# Altium PCB higgs.PcbDoc (part 6 of 25)
Units mm, origin at the board's own origin, x right, y up, seen from the top; angles counter-clockwise.
Board outline 160 x 160 mm, 15 copper layers (TOP, P1(GND), S1(V), P2(GND), S2(H), P3(GND), S3(V12/V2V5), S4(VDDR), P4(GND), S5(V), P5(GND), S6(H), P6(GND), P1(GND) (Plane1), BOT), stack 3.262 mm thick; 1283 components, 2419 nets, 11066 pads, 5487 vias.
Unrouted connection lines stored in the file: 239.
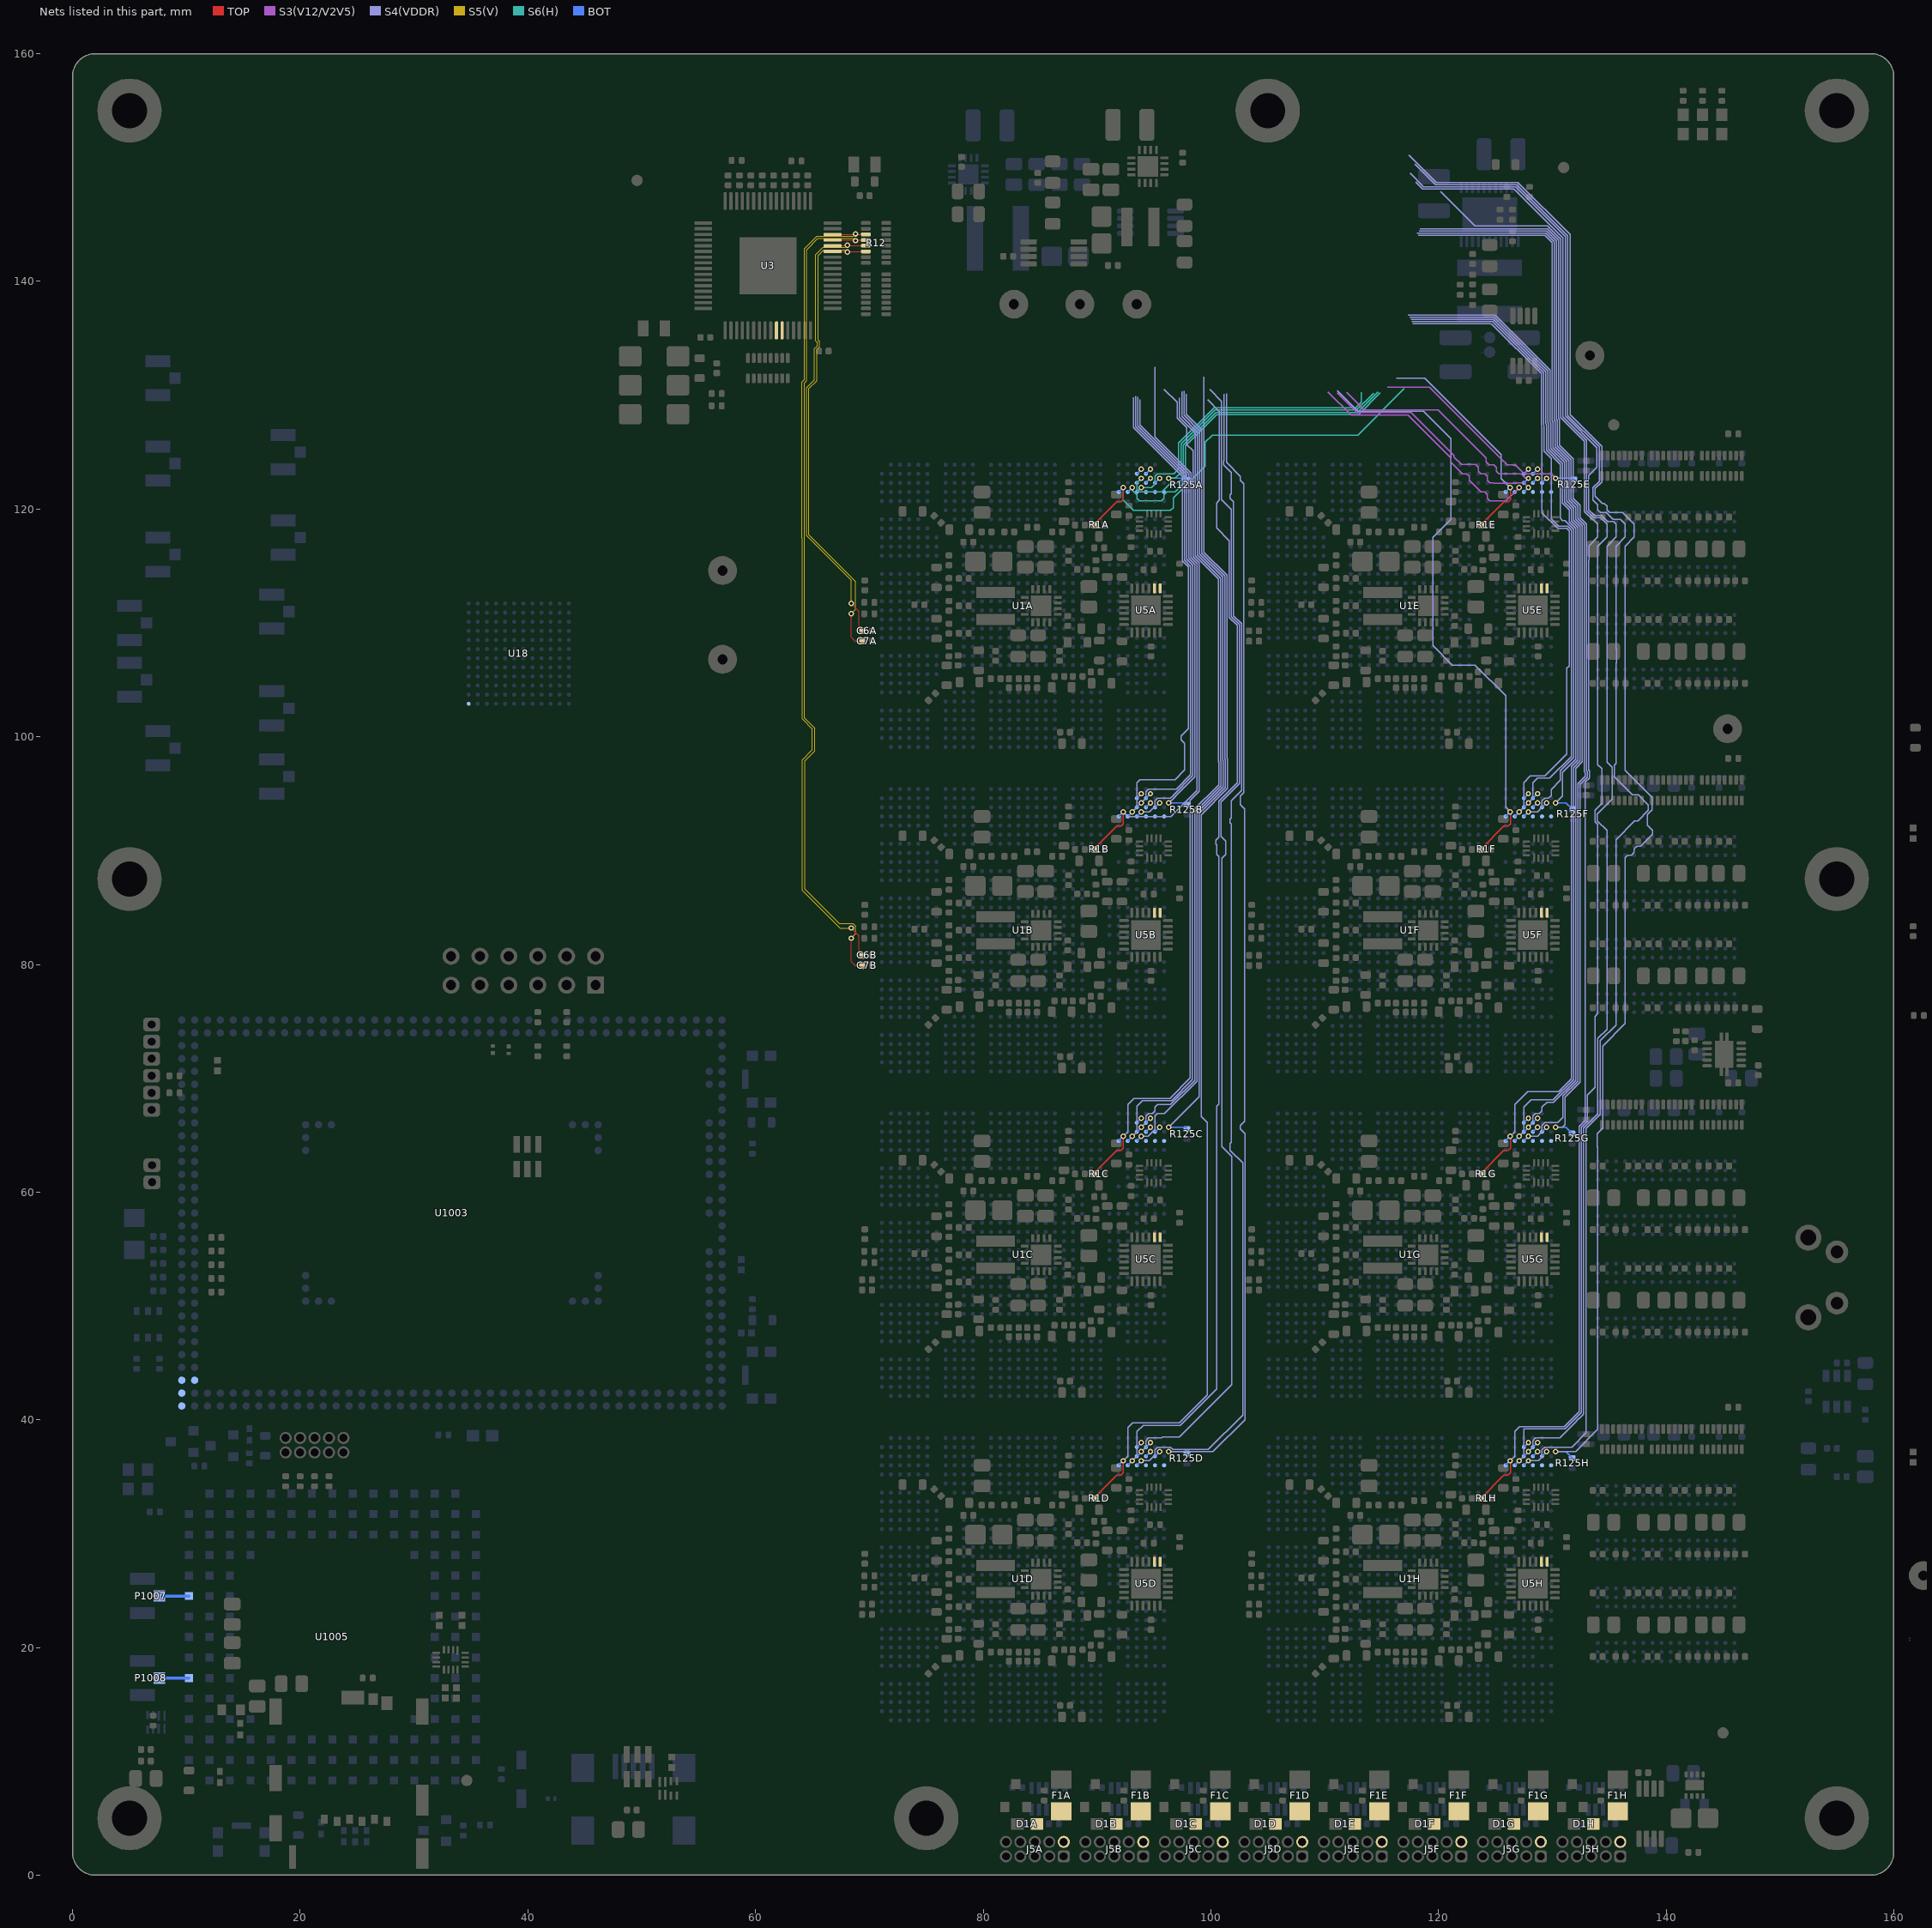
[diagram p19: the nets of this part, all layers, seen from the top]

## Footprints (in the part's own frame and the unit in brackets; to place one, negate y for a bottom-side part, rotate by r counter-clockwise, add the part's x,y. Pads: shape width x height; smd on the part's side, far side on the other; paste and mask are expansions set on the pad) (continued)
S-PDSO-G8 [mm] "Small Outline Pkg (SOP), 0.65 mm pitch; 8 pin, 3.00 mm L X 3.00 mm W X 1.10 mm H body"
  rrect50% 0.45x1.45 smd paste+0 mask+0.05: 1(-0.975,-2.2) 2(-0.325,-2.2) 3(0.325,-2.2) 4(0.975,-2.2) 5(0.975,2.2) 6(0.325,2.2) 7(-0.325,2.2) 8(-0.975,2.2)
  silkscreen extent -1.72,-1.72 1.55,1.55, body extent -1.5,-2.45 1.5,2.45, height 0.97
S-PQFP-8N [mm] "Plastic Quad Flatpack No-Lead"
  rect 0.7x0.25 smd paste-0.025: 1(-1.45,0.75) 2(-1.45,0.25) 3(-1.45,-0.25) 4(-1.45,-0.75) 9(1.45,-0.75) 10(1.45,-0.25) 11(1.45,0.25) 12(1.45,0.75)
  rect 0.25x0.7 smd paste-0.025: 5(-0.75,-1.45) 6(-0.25,-1.45) 7(0.25,-1.45) 8(0.75,-1.45) 13(0.75,1.45) 14(0.25,1.45) 15(-0.25,1.45) 16(-0.75,1.45)
  rect 1.8x1.8 smd paste-0.025: 17(0,0)
  silkscreen extent -1.83,-1.6 1.6,1.79, body extent -1.58,-1.59 1.58,1.59, height 1
S-PQFP-8N_NOVIA [mm] "Plastic Quad Flatpack No-Lead"
  rect 0.7x0.25 smd paste-0.025: 1(-1.45,0.75) 2(-1.45,0.25) 3(-1.45,-0.25) 4(-1.45,-0.75) 9(1.45,-0.75) 10(1.45,-0.25) 11(1.45,0.25) 12(1.45,0.75)
  rect 0.25x0.7 smd paste-0.025: 5(-0.75,-1.45) 6(-0.25,-1.45) 7(0.25,-1.45) 8(0.75,-1.45) 13(0.75,1.45) 14(0.25,1.45) 15(-0.25,1.45) 16(-0.75,1.45)
  rect 1.8x1.8 smd paste-0.025: 17(0,0)
  silkscreen extent -1.77,-1.6 1.6,1.75, body extent -1.58,-1.59 1.58,1.59, height 1
SE2623L [mm] "2.4 GHz 33dB amplifier"
  rect 0.6x0.25 smd mask+0.05: 1(-1.4,0.75) 2(-1.4,0.25) 3(-1.4,-0.25) 4(-1.4,-0.75) 9(1.4,-0.75) 10(1.4,-0.25) 11(1.4,0.25) 12(1.4,0.75)
  rect 0.25x0.6 smd mask+0.05: 5(-0.75,-1.4) 6(-0.25,-1.4) 7(0.25,-1.4) 8(0.75,-1.4) 13(0.75,1.4) 14(0.25,1.4) 15(-0.25,1.4) 16(-0.75,1.4)
  rect 1.7x1.7 smd mask+0.05: 17(0,0)
  silkscreen extent -2.13,1.07 -1.87,1.33, body extent -1.5,-1.5 1.5,1.5, height 0.85
SE5004L [mm] "5 GHz, 26dBm Power Amplifier"
  rect 0.7x0.25 smd paste+0 mask+0.05: 1(-1.85,1) 2(-1.85,0.5) 3(-1.85,0) 4(-1.85,-0.5) 5(-1.85,-1) 11(1.85,-1) 12(1.85,-0.5) 13(1.85,0) 14(1.85,0.5) 15(1.85,1)
  rect 0.25x0.7 smd paste+0 mask+0.05: 6(-1,-1.85) 7(-0.5,-1.85) 8(0,-1.85) 9(0.5,-1.85) 10(1,-1.85) 16(1,1.85) 17(0.5,1.85) 18(0,1.85) 19(-0.5,1.85) 20(-1,1.85)
  rect 2.6x2.6 smd paste+0 mask+0.05: 21(0,0)
  TOP region: -1.275,2.2 -2.2,2.2 -2.2,0.375 -1.275,0.375
  TOP region: 0.375,-2.2 2.2,-2.2 2.2,-0.375 0.375,-0.375
  TOP region: 0.375,0.375 2.2,0.375 2.2,2.2 0.375,2.2
  BOT region: -1.3,-1.3 1.3,-1.3 1.3,1.3 -1.3,1.3
  silkscreen extent -2.5,1.4 -2.3,1.6, body extent -2,-2 2,2, height 0.85
SKY13453-385LF [mm] "RF Switch"
  rect 0.33x0.15 smd paste+0 mask+0.05: 1(-0.485,0.25) 2(-0.485,-0.25) 4(0.485,-0.25) 5(0.485,0.25)
  rect 0.2x0.51 smd paste+0 mask+0.05: 3(0,-0.42) 6(0,0.42)
  silkscreen extent -0.94,0.66 -0.86,0.74, body extent -0.5,-0.5 0.5,0.5, height 0.45
SOD123 [mm] "SOD-123; 2 Leads; Body 2.7 x 1.6 mm, (LxW)"
  rect 1.6x0.85 smd: 1(-1.7,0) 2(1.7,0)
  silkscreen extent -1.45,-0.9 1.45,0.9, body extent -1.92,-0.85 1.92,0.85, height 1.45
SOLDERLINK0603X26N [mm] "Resistor, Chip; 0.60 mm L X 0.30 mm W X 0.26 mm H body"
  rrect50% 0.27x0.4 smd paste-0.4 mask+0.05: 1(-0.335,0)
  rrect50% 0.37x0.4 smd paste-0.4 mask+0.05: 2(0.285,0)
  TOP region: 0.138,0.2 0.012,0 0.138,-0.2 0.298,-0.2 0.298,0.2
  TOP region: 0.013,-0.2 -0.112,0 0.013,0.2 -0.298,0.2 -0.298,-0.2
SOLDERLINK0603X26N_BRIDGED [mm] "Resistor, Chip; Bridged; 0.60 mm L X 0.30 mm W X 0.26 mm H body"
  rrect50% 0.27x0.4 smd paste-0.4 mask+0.05: 1(-0.335,0)
  rrect50% 0.37x0.4 smd paste-0.4 mask+0.05: 2(0.285,0)
  TOP region: 0.138,0.2 0.012,0 0.138,-0.2 0.298,-0.2 0.298,0.2
  TOP region: 0.013,-0.2 -0.112,0 0.013,0.2 -0.298,0.2 -0.298,-0.2
SOT23 [mm] "SOT-23; 3 Leads; Body 3.0 x 2.5 mm, inc. leads (LxW max)"
  rect 0.8x0.9 smd: 1(-0.95,-1) 2(0.95,-1) 3(0,1)
  silkscreen extent -1.27,-0.2 1.28,0.6, body extent -1.46,-1.14 1.46,1.2, height 1
SOT23-6 [mm] "SOT-457/SC-74; 6 Leads; Body 3 x 3 mm, inc. leads (LxW max)"
  rect 0.55x1.45 smd: 1(-0.95,-1.075) 2(0,-1.075) 3(0.95,-1.075) 4(0.95,1.075) 5(0,1.075) 6(-0.95,1.075)
  silkscreen extent -1.58,-1.35 1.55,0.9, body extent -1.5,-1.5 1.5,1.5, height 1.3
SW_KMR421GULCLFS [mm]
  rect 0.9x1 smd: 1(-2.05,0.8) 2(-2.05,-0.8) 3(2.05,-0.8) 4(2.05,0.8)
  rect 1.7x0.55 smd: 5(0,1.425)
  silkscreen extent -2.9,-1.4 1.27,1.7
TCM1-63AX+ [mm] "Surface Mount RF Transformer"
  rect 0.76x1.65 smd: 1(-1.27,1.59) 2(0,1.59) 3(1.27,1.59) 4(1.27,-1.59) 5(0,-1.59) 6(-1.27,-1.59)
  silkscreen extent -2.16,-2.29 2.16,3.05, body extent -1.9,-1.9 1.9,1.9, height 4.06
TEST_POINT [mil] "Test Point"
  round 100 hole 35: 1(0,0)
  body extent -50,-51 50,49, height 192
TEST_POINT_SMD_10 [mm] "Surface Mount Test Pad"
  round 1 smd paste-1 mask-0.076: 1(0,0)
TSOP-6 [mil] "SOT-457/SC-74; 6 Leads; Body 3.1 x 3 mm, inc. leads (LxW max)"
  rect 20x27.52 smd: 1(-39.41,-45.77) 2(0,-45.77) 3(39.41,-45.77) 4(39.41,45.77) 5(0,45.77) 6(-39.41,45.77)
  silkscreen extent -62,-50 61,33, body extent -59,-53 59,53, height 39
U.FL-R-SMT(10) [mm] "HIROSE U.FL-R-SMT(01)"
  rect 1x1 smd: 1(0,1.5)
  rect 1.05x2.2 smd: 2(-1.5,0) 2(1.5,0)
  silkscreen extent -1.7,-1.8 1.7,1.8, body extent -1.5,-1.55 1.5,1.55, height 1.25
XAL6030 [mm] "Shielded Power Inductor"
  rect 1.43x5.69 smd: 1(-2.02,0) 2(2.02,0)
  body extent -3.18,-3.28 3.18,3.28, height 3.1
XFL4020 [mm] "Shielded Power Inductor"
  rect 0.98x3.4 smd paste-0.2: 1(-1.185,0) 2(1.185,0)
  silkscreen extent -2,-2.2 2,2.2, body extent -2,-2 2,2, height 2.1

## Part data
C1A C1B C1C C1D C1E C1F C1G C1H C2A C2B C2C C2D C2E C2F C2G C2H C3A C3B C3C C3D C3E C3F C3G C3H C12A C12B C12C C12D C12E C12F C12G C12H C15A C15B C15C C15D C15E C15F C15G C15H C19A C19B C19C C19D C19E C19F C19G C19H C22A C22B C22C C22D C22E C22F C22G C22H C26A C26B C26C C26D C26E C26F C26G C26H C28A C28B C28C C28D C28E C28F C28G C28H C31A C31B C31C C31D C31E C31F C31G C31H C33A C33B C33C C33D C33E C33F C33G C33H C37A C37B C37C C37D C37E C37F C37G C37H C46A C46B C46C C46D C46E C46F C46G C46H C50A C50B C50C C50D C50E C50F C50G C50H C54A C54B C54C C54D C54E C54F C54G C54H C58A C58B C58C C58D C58E C58F C58G C58H C60A C60B C60C C60D C60E C60F C60G C60H C61A C61B C61C C61D C61E C61F C61G C61H C62A C62B C62C C62D C62E C62F C62G C62H C67 C71 C92 C1008 C1022 C1029: library part CAP, "Ceramic Capacitor 2.2uF ±20% 10V X7R 0603", Manufacturer=TDK, Package=0603, Tolerance=±20%, Voltage=10V, Manufacturer P/N=C1608X7R1A225M080, Tr=-55:125
C4A C4B C4C C4D C4E C4F C4G C4H C5A C5B C5C C5D C5E C5F C5G C5H C11A C11B C11C C11D C11E C11F C11G C11H C94 C95 C115A C115B C115C C115D C115E C115F C115G C115H C116A C116B C116C C116D C116E C116F C116G C116H C118A C118B C118C C118D C118E C118F C118G C118H C124A C124B C124C C124D C124E C124F C124G C124H C136A C136B C136C C136D C137A C137B C137C C137D C159 C162 C163 C164 C165 C1002 C1020 C1024 C1025 C1026 C1027: library part CAP, "Ceramic Capacitor 22uF ±20% 10V X7S 0805", Manufacturer=TDK, Package=0805, Tolerance=±20%, Voltage=10V, Manufacturer P/N=C2012X7S1A226M125, Tr=-55:125
C6A C6B C6C C6D C6E C6F C6G C6H C7A C7B C7C C7D C7E C7F C7G C7H C8A C8B C8C C8D C8E C8F C8G C8H C13A C13B C13C C13D C13E C13F C13G C13H C16A C16B C16C C16D C16E C16F C16G C16H C17A C17B C17C C17D C17E C17F C17G C17H C18A C18B C18C C18D C18E C18F C18G C18H C20A C20B C20C C20D C20E C20F C20G C20H C21A C21B C21C C21D C21E C21F C21G C21H C23A C23B C23C C23D C23E C23F C23G C23H C24A C24B C24C C24D C24E C24F C24G C24H C25A C25B C25C C25D C25E C25F C25G C25H C27A C27B C27C C27D C27E C27F C27G C27H C29A C29B C29C C29D C29E C29F C29G C29H C30A C30B C30C C30D C30E C30F C30G C30H C32A C32B C32C C32D C32E C32F C32G C32H C34A C34B C34C C34D C34E C34F C34G C34H C35A C35B C35C C35D C35E C35F C35G C35H C36A C36B C36C C36D C36E C36F C36G C36H C38A C38B C38C C38D C38E C38F C38G C38H C39A C39B C39C C39D C39E C39F C39G C39H C40A C40B C40C C40D C40E C40F C40G C40H C41A C41B C41C C41D C41E C41F C41G C41H C42A C42B C42C C42D C42E C42F C42G C42H C43A C43B C43C C43D C43E C43F C43G C43H C44A C44B C44C C44D C44E C44F C44G C44H C45A C45B C45C C45D C45E C45F C45G C45H C47A C47B C47C C47D C47E C47F C47G C47H C48A C48B C48C C48D C48E C48F C48G C48H C49A C49B C49C C49D C49E C49F C49G C49H C51A C51B C51C C51D C51E C51F C51G C51H C52A C52B C52C C52D C52E C52F C52G C52H C53A C53B C53C C53D C53E C53F C53G C53H C55A C55B C55C C55D C55E C55F C55G C55H C56A C56B C56C C56D C56E C56F C56G C56H C57A C57B C57C C57D C57E C57F C57G C57H C59A C59B C59C C59D C59E C59F C59G C59H C63 C64 C65 C66 C68 C72 C73 C74 C80 C84 C85 C86 C93 C117A C117B C117C C117D C117E C117F C117G C117H C119A C119B C119C C119D C119E C119F C119G C119H C120A C120B C120C C120D C120E C120F C120G C120H C121A C121B C121C C121D C121E C121F C121G C121H C122A C122B C122C C122D C122E C122F C122G C122H C123A C123B C123C C123D C123E C123F C123G C123H C125A C125B C125C C125D C125E C125F C125G C125H C126A C126B C126C C126D C126E C126F C126G C126H C127A C127B C127C C127D C127E C127F C127G C127H C128A C128B C128C C128D C128E C128F C128G C128H C129A C129B C129C C129D C129E C129F C129G C129H C130A C130B C130C C130D C130E C130F C130G C130H C131 C132 C138A C138B C138C C138D C139A C139B C139C C139D C140A C140B C140C C140D C141A C141B C141C C141D C158 C161 C167 C168 C1003 C1009 C1010 C1011 C1012 C1013 C1014 C1015 C1016 C1017 C1018 C1021: library part CAP, "Ceramic Capacitor 100nF ±10% 50V X7R 0402", Manufacturer=Murata, Package=0402, Tolerance=±10%, Voltage=50V, Manufacturer P/N=GCM155R71H104KE02, Tr=-55:125
C9A C9B C9C C9D C9E C9F C9G C9H C77 C78 C81 C82 C160: library part CAP, "Ceramic Capacitor 10uF ±10% 25V X6S 0805", Manufacturer=Murata, Package=0805, Tolerance=±10%, Voltage=25V, Manufacturer P/N=GRM21BC81E106KE51, Tr=-55:105
C10A C10B C10C C10D C10E C10F C10G C10H C14A C14B C14C C14D C14E C14F C14G C14H C69 C70 C75 C76 C97 C133 C135A C135B C135C C135D C1019: library part CAP, "Ceramic Capacitor 10nF ±10% 50V X7R 0402", Manufacturer=Murata, Package=0402, Tolerance=±10%, Voltage=50V, Tr=-55:125
  C10A C10B C10C C10D C10E C10F C10G C10H C14A C14B C14C C14D C14E C14F C14G C14H C69 C70 C75 C76 C97 C133 C135A C135B C135C C135D: Manufacturer P/N=GRM155R71H103KA88
  C1019: Manufacturer P/N=GCM155R71H103KA55
C79 C87: library part CAP, "Ceramic Capacitor 1nF ±10% 50V X7R 0402", Manufacturer=Murata, Package=0402, Tolerance=±10%, Voltage=50V, Manufacturer P/N=GRM155R71H102KA01, Tr=-55:125
C83: library part "CAP 0603", "Ceramic Capacitor 4.7uF ±10% 25V X5R 0603", Manufacturer=Murata, Package=0603, Tolerance=±10%, Voltage=25V, Manufacturer P/N=GRM188R61E475KE11, Tr=-55:85
C88 C89 C96 C166: library part CAP, "Ceramic Capacitor 22uF ±10% 25V X7R 1210", Manufacturer=Murata, Package=1210, Tolerance=±10%, Voltage=25V, Manufacturer P/N=GRM32ER71E226KE15, Tr=-55:125
C90 C91: library part CAP, "Ceramic Capacitor 100uF ±20% 6.3V X6S 1210", Manufacturer=TDK, Package=1210, Tolerance=±20%, Voltage=6.3V, Manufacturer P/N=C3225X6S0J107M250, Tr=-55:105
C98A C98B C99A C99B C101A C101B C102A C102B C107A C107B C108A C108B C109A C109B C144A C144B C146A C146B: library part "CAP 0402", "Ceramic Capacitor 100nF ±10% 16V X7R 0402", Manufacturer=Murata, Package=0402, Tolerance=±10%, Voltage=16V, Manufacturer P/N=GRM155R71C104KA88J, Tr=-55:125
C103A C103B C147A C147B C148A C148B: library part CAP, "Ceramic Capacitor 15pF ±5% NP0 0603", Manufacturer=Murata, Package=0603, Tolerance=±5%, Voltage=50V, Manufacturer P/N=GQM1885C1H150JB01D, Tr="-55\"125"
C104A C104B C105A C105B: library part VJ0402A2R2BXA, "Ceramic Capacitor 2.4pF ±0.1pF 50V C0G 0402", Manufacturer=Vishay, Manufacturer P/N=VJ0402D2R4BXA, Package=0402, Tolerance=±0.1pF, Voltage=50V, Tr=-55:150
C106A C106B: library part VJ0402A2R2BXA, "Ceramic Capacitor 1.5pF ±0.1pF 50V C0G 0402", Manufacturer=Vishay, Manufacturer P/N=VJ0402D1R5BXA, Package=0402, Tolerance=±0.1pF, Voltage=50V, Tr=-55:150
C114A C114B: library part "CAP 0402", "Ceramic Capacitor 20pF ±1% 50V NP0 0402", Manufacturer=Kemet, Manufacturer P/N=CBR04C308B5GAC, Package=0402, Tolerance=±1%, Voltage=50V, Tr=-55:125
C134: library part CAP, "Capacitor 0805", Package=0805, Do Not Place=DNP
C142A C142B: library part "CAP 0603", "Ceramic Capacitor 10uF ±20% 25V X5R 0603", Manufacturer=Murata, Package=0603, Tolerance=±20%, Voltage=25V, Manufacturer P/N=ZRB18AR61E106ME01L, Tr=-55:85
C143A C143B C145A C145B: library part "CAP 0402", "Ceramic Capacitor 10nF ±10% 50V X7R 0402", Manufacturer=Murata, Package=0402, Tolerance=±10%, Voltage=50V, Manufacturer P/N=GRM155R71H103KA88, Tr=-55:125
C149A C149B: library part CAP, "Ceramic Capacitor 6.8pF ±0.1pF NP0 0603", Manufacturer=AVX, Package=0603, Tolerance=±0.1pF, Voltage=200V, Manufacturer P/N=06032U6R8BAT2A, Tr="-55\"125"
C150A C150B C152A C152B: library part CAP, "Ceramic Capacitor 3.9pF ±0.1pF NP0 0603", Manufacturer=AVX, Package=0603, Tolerance=±0.1pF, Voltage=200V, Manufacturer P/N=06032U3R9BAT2A, Tr="-55\"125"
C151A C151B: library part CAP, "Ceramic Capacitor 5.6pF ±0.1pF NP0 0603", Manufacturer=AVX, Package=0603, Tolerance=±0.1pF, Voltage=200V, Manufacturer P/N=06032U5R6BAT2A, Tr="-55\"125"
C153 C154 C155 C156 C157 C169 C170 C171 C172 C173 C174 C175 C176 C177 C180 C181 C184 C185 C188 C189: library part "CAP 0402", "Ceramic Capacitor 20pF ±1% 50V NP0 0402", Manufacturer=Kemet, Package=0402, Tolerance=±1%, Voltage=50V, Manufacturer P/N=CBR04C200F5GAC, Tr=-55:125
C178 C182 C186 C190: library part "CAP 0603", "Ceramic Capacitor 10uF ±20% 25V X5R 0603", Manufacturer=Samsung, Package=0603, Tolerance=±20%, Voltage=25V, Manufacturer P/N=CL10A106MA8NRNC, Tr=-55:85
C1000 C1001: library part CAP, "Ceramic Capacitor 1uF ±20% 10V X7R 0603", Manufacturer=TDK, Package=0603, Tolerance=±20%, Voltage=10V, Do Not Place=DNP, Manufacturer P/N=C1608X7R1A105M080, Tr=-55:125
C1004 C1005 C1006 C1007 C1023 C1028 C1030: library part "CAP 0603", "Ceramic Capacitor 33pF ±1% 50V NP0 0402", Manufacturer=Kemet, Package=0402, Tolerance=±1%, Voltage=50V, Manufacturer P/N=CBR04C330F5GAC, Tr=-55:125
D1A D1B D1C D1D D1E D1F D1G D1H D2 D3 D11 D1001 D1003: library part LED0603RD, "LED, SMT 0603, Color Red, 5mA, 1.85V", Manufacturer=Panasonic, Package="0603 Polarized", Manufacturer P/N=LNJ237W82RA
  D2 D3 D11 D1001: Do Not Place=DNP
D1000: "Zener Diode 1.8V 500mW SOD123", Manufacturer="Diodes, Inc.", Manufacturer P/N=DDZ9678-7, Vz=1.8V
D1002: library part LED0603GR, "LED, SMT 0603, Color Blue, 5mA, 2.9V", Manufacturer=Panasonic, Package="0603 Polarized", Manufacturer P/N=LNJ937W8CRA
F1A F1B F1C F1D F1E F1F F1G F1H: "PTC Resettable Fuse, 0.2A, 30V, SMD 1206", Manufacturer="Bell Fuse", Package=1206, Manufacturer P/N=0ZCJ0020FF2E
F4 F1000: "PTC Resettable Fuse, 0.2A, 30V, SMD 1206", Manufacturer="Bell Fuse", Manufacturer P/N=0ZCJ0020FF2E
  F4: I(fuse)=0.2A
J5A J5B J5C J5D J5E J5F J5G J5H: library part GRPB052VWVN, "Male Header, 0.050\" Pitch, 2x5 Position, Right Angle", Manufacturer=Sullins, Manufacturer P/N=GRPB052MWCN
J1000: "Male Header, 0.050\" Pitch, 2x5 Position", Manufacturer=Sullins, Manufacturer P/N=GRPB052VWVN
L1A L1B L1C L1D L1E L1F L1G L1H L5: library part COIL, "Wirewound Inductor 2.2uH +/-20% 3.5A SMD", Manufacturer=Coilcraft, I(sat)=3.5, Manufacturer P/N=XFL4020-222ME
L2 L3: library part INDUCTANCE1, "Ferrite Bead 600-Ohm @ 100 MHz 2A 0805", Manufacturer=TDK, Manufacturer P/N=MPZ2012S601A
L4: library part INDUCTOR, "Shielded Power Inductor 560nH, 17A", Manufacturer=Coilcraft, I(sat)=17, Manufacturer P/N=XAL6030-561ME
L6A L6B: library part INDUCTOR, "Inductor 1nH ±0.3nH 1A", Manufacturer=Murata, Manufacturer P/N=LQG15HS1N0S02D
L7A L7B: library part INDUCTOR, "Inductor Wirewound 4.7nH ±0.2nH 0402", Manufacturer=Murata, Package=0402, Tolerance=±0.2nH, Manufacturer P/N=LQW15AN4N7C00D, Tr=-55:125
L8: library part COIL, "Wirewound Inductor 2.2uH +/-20% 1.9A SMD 2518", Manufacturer=Abracon, I(sat)=1.9, Manufacturer P/N=ASPI-0310FS-2R2M-T2
L9: library part INDUCTOR, "Shielded Power Inductor 3.3uH, 6A", Manufacturer=Coilcraft, I(sat)=6, Manufacturer P/N=XAL6030-332ME
L11 L12 L13 L14 L15 L16 L17 L18: library part INDUCTOR, "Chip Inductor 900nH ±5% 1008", Manufacturer=Coilcraft, Package=1008, Tolerance=±5%, Manufacturer P/N=1008AF-901XJLC, Tr=-40:125
L1000: library part "IND 0402", "Ferrite Bead 100-Ohm @ 100MHz 2A 0603", Manufacturer=Murata, Manufacturer P/N=BLM18EG101TN1, Package=0603, Tolerance=±25%, Tr=-55:125
M1 M2 M3 M4 M5 M6 M7 M8: "M3 Standard Fit Hole"
P1 P2 P3 P4 P5 P6 P7 P8 P9 P10 P11 P12 P1007 P1008: "Ultra Miniature Coaxial Jack, 50 Ohms", Manufacturer=Hirose, Manufacturer P/N=U.FL-R-SMT(10)
P1001: library part "Header 6X2H", "Header, 6-Pin, Dual row", Manufacturer=Sullins, Manufacturer P/N=PEC06DAAN
P1002: library part TBD, "Header, 6-Pin, Single row, Vertical", Manufacturer=JST, Manufacturer P/N=B6B-ZR
P1004: "Right Angle SMT USB Type-AB Connector Receptacle", Manufacturer="Wurth Elektronik", Manufacturer P/N=651305142821
P1005: "micro-SIM Card Connector", Manufacturer=Molex, Package=None, Availability=Good, Manufacturer P/N=504520-0691, Price="1.31 USD"
P1006: library part "Header 2", "Header, 2-Pin", Manufacturer=JST, Manufacturer P/N=B2B-ZR(LF)(SN)
Q1A Q1B Q1C Q1D Q1E Q1F Q1G Q1H Q1001 Q1002 Q1003: "NPN Small Signal Transistor SMD SOT-23", Manufacturer="Diodes, Inc.", Manufacturer P/N=MMBT4401-7-F
Q1000: "Complementary MOSFET Pair", Manufacturer="Diodes, Inc.", Manufacturer P/N=DMC2038LVT
R1A R1B R1C R1D R1E R1F R1G R1H R2A R2B R2C R2D R2E R2F R2G R2H R4A R4B R4C R4D R4E R4F R4G R4H R5A R5B R5C R5D R5E R5F R5G R5H R29 R30 R56 R58 R123 R124 R1014 R1020: library part RES, "Thick Film Resistor 4.7k ±1% 0.1W 75V 0402", Manufacturer=Panasonic, Package=0402, Power=0.1, Tolerance=±1%, Voltage=75, Manufacturer P/N=ERJ-2RKF4701X, Tcr=±100, Tr=-55:155
R3A R3B R3C R3D R3E R3F R3G R3H R42: library part RES, "Thick Film Resistor 100k ±1% 0.1W 50V 0402", Manufacturer=Panasonic, Package=0402, Power=0.1, Tolerance=±1%, Voltage=50, Manufacturer P/N=ERJ-2RKF1003X, Tcr=±100, Tr=-55:155
R6A R6B R6C R6D R6E R6F R6G R6H: library part CSR1206-0R001F1, "Current Sense Resistor 4mOhm +/-1% SMD 1206", Manufacturer=Riedon, Package=1206, Manufacturer P/N=CSR1206-0R004F1
R7A R7B R7C R7D R7E R7F R7G R7H R55A R55B R55C R55D R55E R55F R55G R55H R1008 R1009 R1010 R1011 R1012 R1013 R1019 R1029 R1030: library part RES, "Thick Film Resistor 240 ±1% 0.1W 75V 0402", Manufacturer=Panasonic, Package=0402, Power=0.1, Tolerance=±1%, Voltage=75, Manufacturer P/N=ERJ-2RKF2400X, Tcr=±100, Tr=-55:155
  R1019: Do Not Place=DNP
R8A R8B R8C R8D R8E R8F R8G R8H R9A R9B R9C R9D R9E R9F R9G R9H R63A R63B R63C R63D R64A R64B R64C R64D: library part RES, "Thick Film Resistor 49.9 ±1% 0.1W 50V 0402", Manufacturer=Panasonic, Package=0402, Power=0.1, Tolerance=±1%, Voltage=50, Manufacturer P/N=ERJ-2RKF49R9X, Tcr=±100, Tr=-55:155
R10A R10B R10C R10D R10E R10F R10G R10H: library part RES, "Thin Film Resistor 7.5k ±0.1% 0.125W 100V 0805", Manufacturer=Panasonic, Package=0805, Power=0.125, Tolerance=±0.1%, Voltage=100, Manufacturer P/N=ERA-6AEB752V, Tcr=±25, Tr=-55:155
R11A R11B R11C R11D R11E R11F R11G R11H R57: library part RES, "Thin Film Resistor 20k ±0.1% 0.125W 100V 0805", Manufacturer=Panasonic, Package=0805, Power=0.125, Tolerance=±0.1%, Voltage=100, Manufacturer P/N=ERA-6AEB203V, Tcr=±25, Tr=-55:155
R12 R13 R16: library part EXB-2HV470JV, "8 Resistor Array 150 ±5% 0.0625W 25V 1506", Manufacturer=Panasonic, Package=1506, Tolerance=±5%, Manufacturer P/N=EXB-2HV151JV, Tr=-55:125
R14 R15 R19 R20: library part RES, "Thick Film Resistor 150 ±1% 0.1W 50V 0402", Manufacturer=Panasonic, Package=0402, Power=0.1, Tolerance=±1%, Voltage=50, Manufacturer P/N=ERJ-2RKF1500X, Tcr=±100, Tr=-55:155
R17A R17B: library part RES, "Thin Film Resistor 36 +/-1% SMD 0402", Manufacturer=Panasoinc, Package=0402, Power=0.063W, Tolerance=±1%, Manufacturer P/N=ERJ-2RKF36R0X, Tr=-55:155
R18A R18B: library part RES, "Thin Film Resistor 150 +/-1% SMD 0402", Manufacturer=Panasoinc, Package=0402, Power=0.063W, Tolerance=±1%, Manufacturer P/N=ERJ-2RKF1500X, Tr=-55:155
R21A R21B: library part RES, "Thin Film Resistor 0 +/-1% SMD 0402", Manufacturer=Panasoinc, Package=0402, Power=0.063W, Manufacturer P/N=ERJ-2GE0R00X, Tr=-55:155
R22A R22B: library part RES, "Thin Film Resistor 21 +/-0.1% SMD 0402", Manufacturer=Panasoinc, Package=0402, Power=0.063W, Tolerance=±0.1%, Manufacturer P/N=ERJ-2RKF21R0X, Tr=-55:155
R23A R23B: library part RES, "Thin Film Resistor 133 +/-0.1% SMD 0402", Manufacturer=Panasoinc, Package=0402, Power=0.063W, Tolerance=±0.1%, Manufacturer P/N=ERA-2AEB1330X, Tr=-55:155
R24A R24B: library part "RES 0603", "Thin Film Resistor 499 Ohm ±0.5% 0402", Manufacturer=Vishay, Package=0402, Tolerance=±0.5%, Manufacturer P/N=MCS0402PD4990DE500, Tr=-55:175
R25A R25B R31 R32: library part RES, "Thick Film Resistor 10k ±1% 0.1W 50V 0402", Manufacturer=Panasonic, Package=0402, Power=0.1, Tolerance=±1%, Voltage=50, Manufacturer P/N=ERJ-2RKF1002X, Tcr=±100, Tr=-55:155
R26A R26B: library part RES, "Thin Film Resistor 100 +/-0.1% SMD 0805", Manufacturer=Susumu, Package=0805, Tolerance=±0.1%, Manufacturer P/N=RG2012P-101-B-T5, Tr=-55:155
R29A R29B R29C R29D R29E R29F R29G R29H R30A R30B R30C R30D R30E R30F R30G R30H R122A R122B R122C R122D R122E R122F R122G R122H R125A R125B R125C R125D R125E R125F R125G R125H: library part RES, "Thick Film Resistor 20 ±1% 0.1W 75V 0402", Manufacturer=Panasonic, Package=0402, Power=0.1, Tolerance=±1%, Voltage=75, Manufacturer P/N=ERJ-2RKF20R0X, Tcr=±100, Tr=-55:155
R33 R37 R46 R65A R65B R65C R65D R115: library part RES, "Thick Film Resistor 1k ±1% 0.1W 50V 0402", Manufacturer=Panasonic, Package=0402, Power=0.1, Tolerance=±1%, Voltage=50, Manufacturer P/N=ERJ-2RKF1001X, Tcr=±100, Tr=-55:155
  R33 R46 R115: Do Not Place=DNP
R34: "Current Sense Resistor 400uOhm TRACE"
R35: library part RES, "Thick Film Resistor 698k ±1% 0.1W 50V 0402", Manufacturer=Panasonic, Package=0402, Power=0.1, Tolerance=±1%, Voltage=50, Manufacturer P/N=ERJ-2RKF6983X, Tcr=±100, Tr=-55:155
R36: library part RES, "Thick Film Resistor 620 ±1% 0.1W 50V 0402", Manufacturer=Panasonic, Package=0402, Power=0.1, Tolerance=±1%, Voltage=50, Manufacturer P/N=ERJ-2RKF6200X, Tcr=±100, Tr=-55:155
R38: library part RES, "Thin Film Resistor 12.7k ±0.1% 0.125W 100V 0805", Manufacturer=Panasonic, Package=0805, Power=0.125, Tolerance=±0.1%, Voltage=100, Manufacturer P/N=ERA-6AEB1272V, Tcr=±25, Tr=-55:155
R39: library part RES, "Thick Film Resistor 86.6k ±1% 0.1W 50V 0402", Manufacturer=Panasonic, Package=0402, Power=0.1, Tolerance=±1%, Voltage=50, Manufacturer P/N=ERJ-2RKF8662X, Tcr=±100, Tr=-55:155
R40 R45 R59: library part RES, "Thin Film Resistor 10k ±0.1% 0.125W 100V 0805", Manufacturer=Panasonic, Package=0805, Power=0.125, Tolerance=±0.1%, Voltage=100, Manufacturer P/N=ERA-6AEB103V, Tcr=±25, Tr=-55:155
R41: library part RES, "Thick Film Resistor 143k ±1% 0.1W 50V 0402", Manufacturer=Panasonic, Package=0402, Power=0.1, Tolerance=±1%, Voltage=50, Manufacturer P/N=ERJ-2RKF1433X, Tcr=±100, Tr=-55:155
R43: library part CSR1206-0R001F1, "Current Sense Resistor 7mOhm +/-1% SMD 1206", Manufacturer=Riedon, Package=1206, Manufacturer P/N=CSR1206-0R007F1
R44: library part RES, "Thin Film Resistor 31.6k ±0.1% 0.125W 100V 0805", Manufacturer=Panasonic, Package=0805, Power=0.125, Tolerance=±0.1%, Voltage=100, Manufacturer P/N=ERA-6AEB3162V, Tcr=±25, Tr=-55:155
R60A R60B R60C R60D R61A R61B R61C R61D R62A R62B R62C R62D: "8 Resistor Array 47 ±5% 0.0625W 25V 1506", Manufacturer=Panasonic, Package=1506, Tolerance=±5%, Manufacturer P/N=EXB-2HV470JV, Tr=-55:125